# KiCad board geeks-ecu.kicad_pcb (continued)
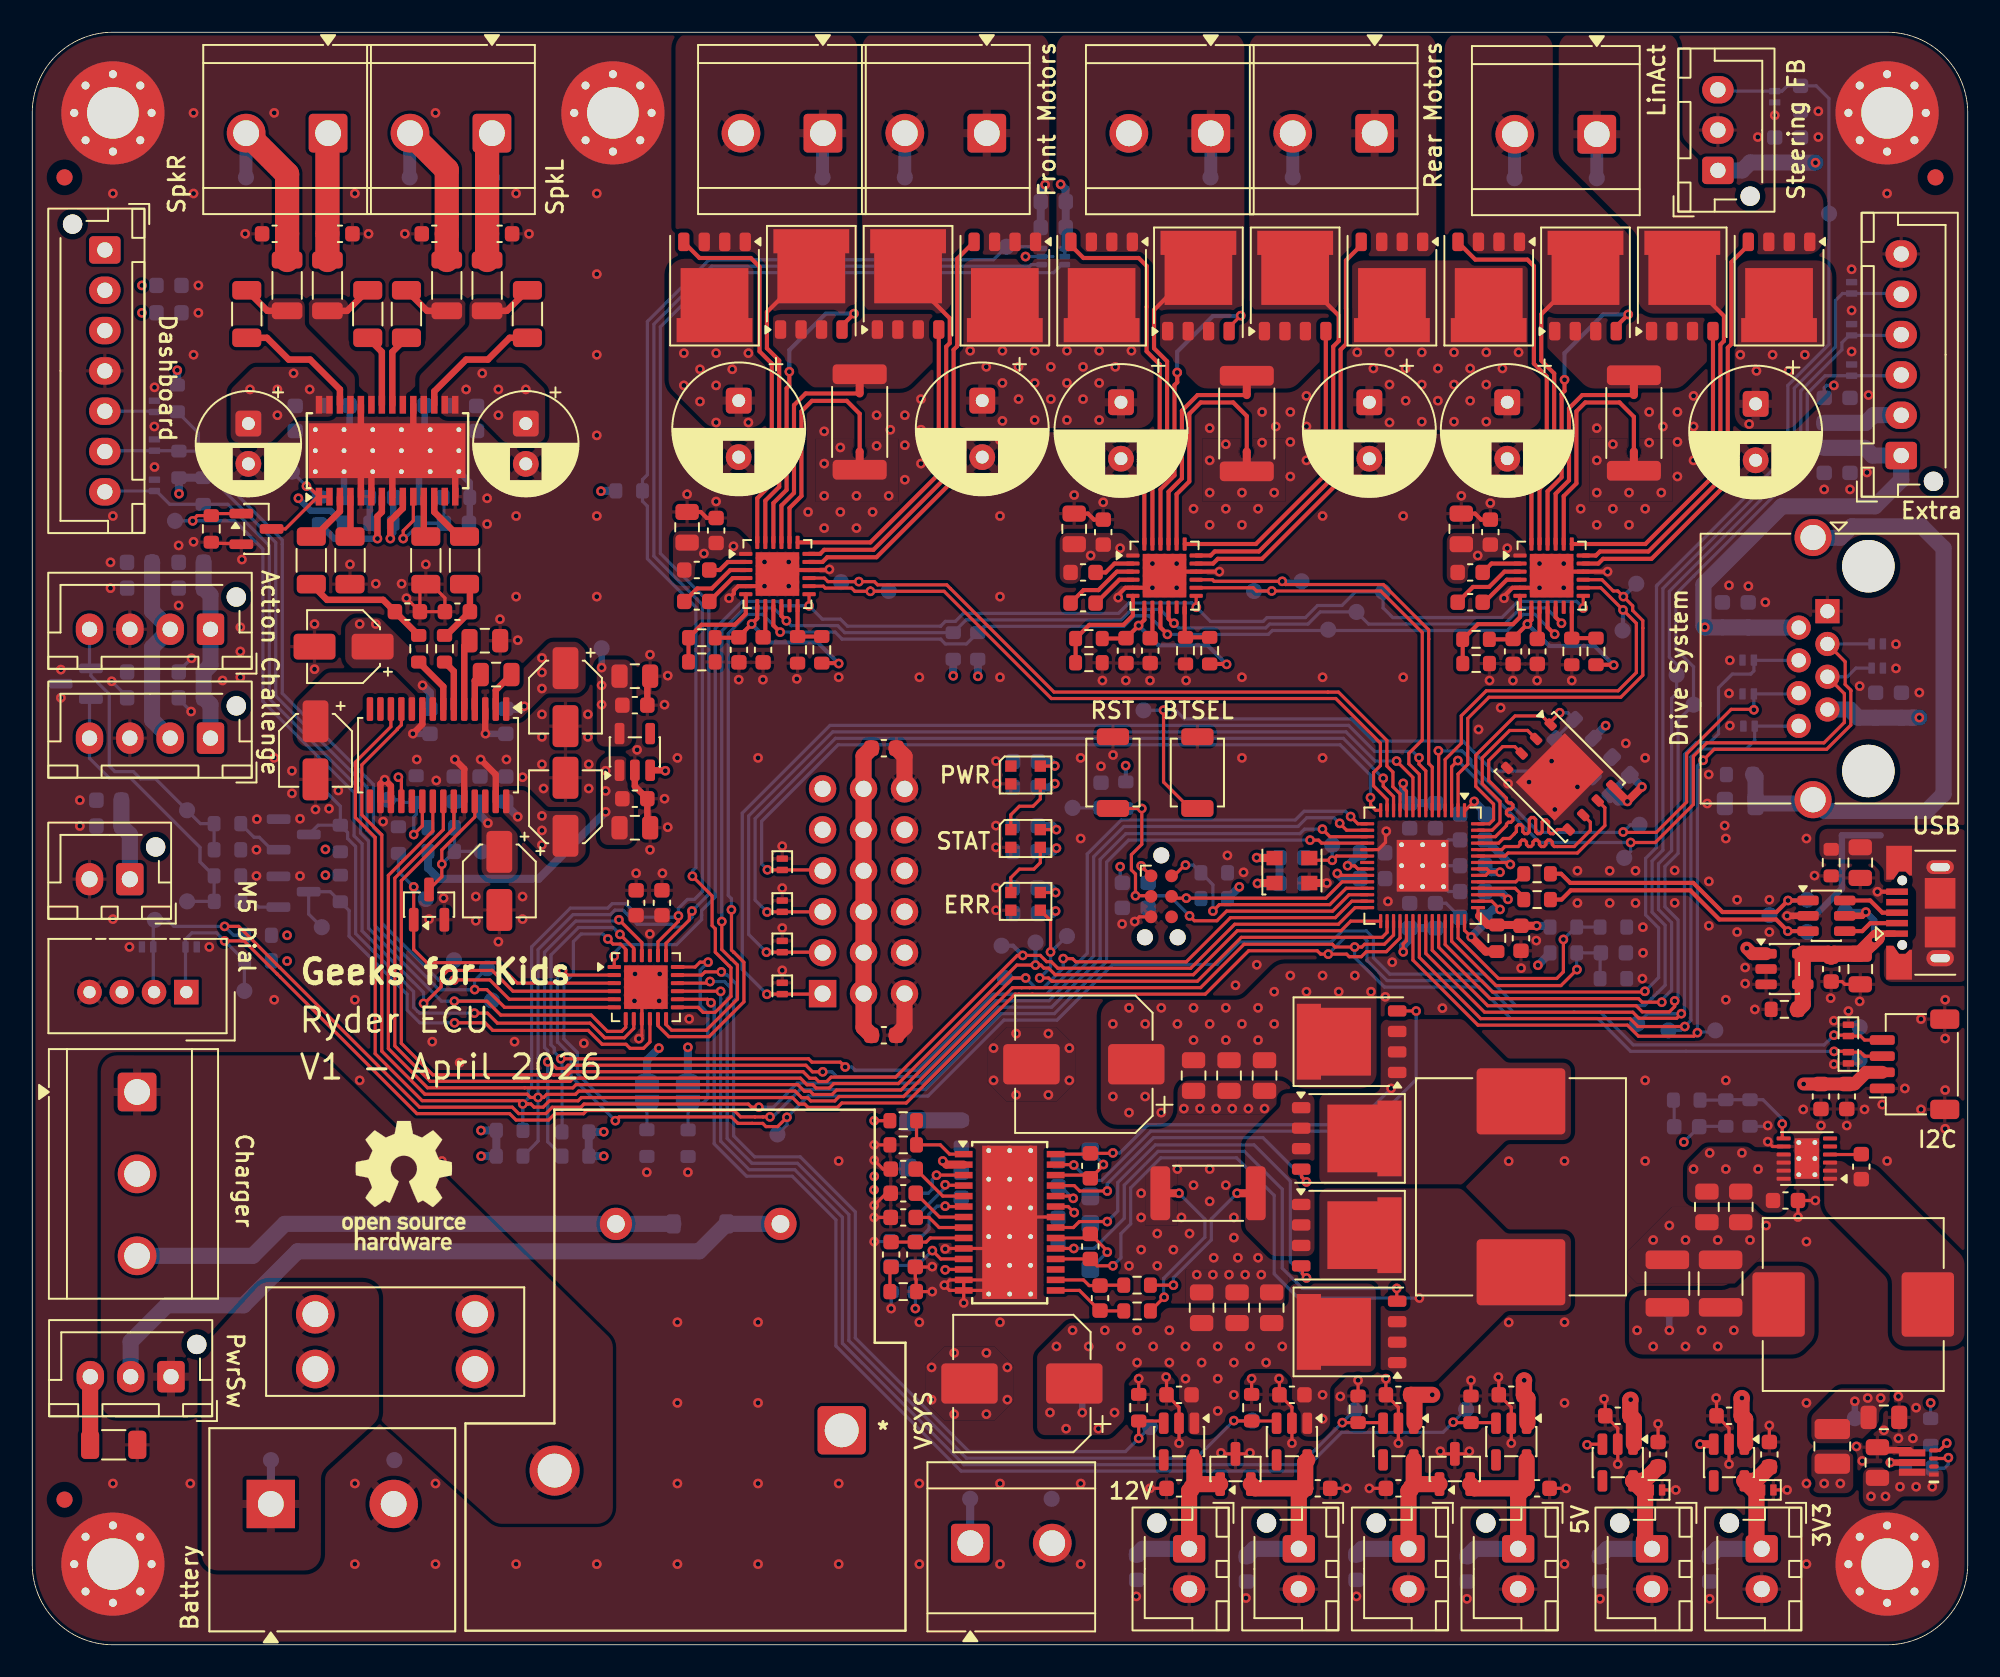
[diagram p0: board, top side]
## Footprints (pads in the part's own frame, mm; a bottom-side part is the same pattern mirrored in y, then rotated) (continued)
MountingHole_3.2mm_M3_Pad_Via
  round 0.8 hole 0.5: 1(-2.4,0) 1(-1.697,1.697) 1(-1.697,-1.697) 1(0,2.4) 1(0,-2.4) 1(1.697,1.697) 1(1.697,-1.697) 1(2.4,0)
  round 6.4 hole 3.2: 1(0,0)
NetTie-2_SMD_Pad0.5mm
  round 0.5 smd: 1(-0.5,0) 2(0.5,0)
NS-Tech_Grove_1x04_P2mm_Vertical
  rect 1.524x1.524 hole 0.762: 1(0,0)
  round 1.524 hole 0.762: 2(0,-2) 3(0,-4) 4(0,-6)
Oscillator_SMD_EuroQuartz_XO32-4Pin_3.2x2.5mm
  rect 0.9x1 smd: 1(-0.775,1.075) 2(-0.775,-1.075) 3(0.775,-1.075) 4(0.775,1.075)
PinHeader_3x06_P2.54mm_Vertical
  rect 1.7x1.7 hole 1: 1(0,0)
  round 1.7 hole 1: 2(2.54,0) 3(5.08,0) 4(0,-2.54) 5(2.54,-2.54) 6(5.08,-2.54) 7(0,-5.08) 8(2.54,-5.08) 9(5.08,-5.08) 10(0,-7.62) 11(2.54,-7.62) 12(5.08,-7.62) 13(0,-10.16) 14(2.54,-10.16) 15(5.08,-10.16) 16(0,-12.7) 17(2.54,-12.7) 18(5.08,-12.7)
PQFN-8-EP_6x5mm_P1.27mm_Generic
  rect 0.6x0.9 smd: (-0.55,1.15) (-0.55,0) (-0.55,-1.15) (0.3,1.15) (0.3,0) (0.3,-1.15) (1.15,1.15) (1.15,0) (1.15,-1.15) (2,1.15) (2,0) (2,-1.15)
  rect 0.9x0.6 smd: (3,1.905) (3,0.635) (3,-0.635) (3,-1.905)
  rrect 1.15x0.7 smd: 1(-2.725,1.905) 2(-2.725,0.635) 3(-2.725,-0.635) 4(-2.725,-1.905)
  custom 4.6x4.7 smd: 5(0,0)
QFN-24-1EP_4x4mm_P0.5mm_EP2.7x2.7mm
  rrect 1.09x1.09 smd: (-0.675,0.675) (-0.675,-0.675) (0.675,0.675) (0.675,-0.675)
  rrect 0.825x0.25 smd: 1(-1.962,1.25) 2(-1.962,0.75) 3(-1.962,0.25) 4(-1.962,-0.25) 5(-1.962,-0.75) 6(-1.962,-1.25) 13(1.962,-1.25) 14(1.962,-0.75) 15(1.962,-0.25) 16(1.962,0.25) 17(1.962,0.75) 18(1.962,1.25)
  rrect 0.25x0.825 smd: 7(-1.25,-1.962) 8(-0.75,-1.962) 9(-0.25,-1.962) 10(0.25,-1.962) 11(0.75,-1.962) 12(1.25,-1.962) 19(1.25,1.962) 20(0.75,1.962) 21(0.25,1.962) 22(-0.25,1.962) 23(-0.75,1.962) 24(-1.25,1.962)
  rect 2.7x2.7 smd: 25(0,0)
QFN-56-1EP_7x7mm_P0.4mm_EP3.2x3.2mm_ThermalVias
  rrect 1.24x1.24 smd: (-0.8,0.8) (-0.8,-0.8) (0.8,0.8) (0.8,-0.8)
  rrect 0.875x0.2 smd: 1(-3.438,2.6) 2(-3.438,2.2) 3(-3.438,1.8) 4(-3.438,1.4) 5(-3.438,1) 6(-3.438,0.6) 7(-3.438,0.2) 8(-3.438,-0.2) 9(-3.438,-0.6) 10(-3.438,-1) 11(-3.438,-1.4) 12(-3.438,-1.8) 13(-3.438,-2.2) 14(-3.438,-2.6) 29(3.438,-2.6) 30(3.438,-2.2) 31(3.438,-1.8) 32(3.438,-1.4) 33(3.438,-1) 34(3.438,-0.6) 35(3.438,-0.2) 36(3.438,0.2) 37(3.438,0.6) 38(3.438,1) 39(3.438,1.4) 40(3.438,1.8) 41(3.438,2.2) 42(3.438,2.6)
  rrect 0.2x0.875 smd: 15(-2.6,-3.438) 16(-2.2,-3.438) 17(-1.8,-3.438) 18(-1.4,-3.438) 19(-1,-3.438) 20(-0.6,-3.438) 21(-0.2,-3.438) 22(0.2,-3.438) 23(0.6,-3.438) 24(1,-3.438) 25(1.4,-3.438) 26(1.8,-3.438) 27(2.2,-3.438) 28(2.6,-3.438) 43(2.6,3.438) 44(2.2,3.438) 45(1.8,3.438) 46(1.4,3.438) 47(1,3.438) 48(0.6,3.438) 49(0.2,3.438) 50(-0.2,3.438) 51(-0.6,3.438) 52(-1,3.438) 53(-1.4,3.438) 54(-1.8,3.438) 55(-2.2,3.438) 56(-2.6,3.438)
  round 0.45 hole 0.3: 57(-1.3,1.3) 57(-1.3,0) 57(-1.3,-1.3) 57(0,1.3) 57(0,0) 57(0,-1.3) 57(1.3,1.3) 57(1.3,0) 57(1.3,-1.3)
  rect 3.2x3.2 smd: 57(0,0)
  rect 3.2x3.2 smd far side: 57(0,0)
R_0603_1608Metric
  rrect 0.8x0.95 smd: 1(-0.825,0) 2(0.825,0)
R_1206_3216Metric
  rrect 1.125x1.75 smd: 1(-1.462,0) 2(1.462,0)
R_2512_6332Metric
  rrect 1.225x3.35 smd: 1(-2.962,0) 2(2.962,0)
RJ45_Amphenol_RJHSE5380
  round 3.25 hole 3.25 unplated: (-2.79,2.54) (9.91,2.54)
  rect 1.5x1.5 hole 0.89: 1(0,0)
  round 1.5 hole 0.89: 2(1.016,-1.78) 3(2.032,0) 4(3.048,-1.78) 5(4.064,0) 6(5.08,-1.78) 7(6.096,0) 8(7.112,-1.78)
  round 2.3 hole 1.57: SH(-4.57,-0.89) SH(11.69,-0.89)
RLT0007A
  rect 0.6x0.25 smd: 1(-0.9,0.75)
  oval 0.6x0.25 smd: 2(-0.9,0.25) 3(-0.9,-0.25) 4(-0.9,-0.75)
  rect 1.64x0.44 smd: 5(0.45,-0.6) 6(0.45,0) 7(0.45,0.6)
SolderJumper-2_P1.3mm_Open_RoundedPad1.0x1.5mm
  custom 1x1.5 smd: 1(-0.65,0) 2(0.65,0)
SOT-23
  rrect 1.475x0.6 smd: 1(-0.938,0.95) 2(-0.938,-0.95) 3(0.938,0)
SOT-23-5
  rrect 1.325x0.6 smd: 1(-1.137,0.95) 2(-1.137,0) 3(-1.137,-0.95) 4(1.137,-0.95) 5(1.137,0.95)
SOT-23-6
  rrect 1.325x0.6 smd: 1(-1.137,0.95) 2(-1.137,0) 3(-1.137,-0.95) 4(1.137,-0.95) 5(1.137,0) 6(1.137,0.95)
SOT-563
  rrect 0.675x0.35 smd: 1(-0.713,0.5) 2(-0.713,0) 3(-0.713,-0.5) 4(0.713,-0.5) 5(0.713,0) 6(0.713,0.5)
SW_SPST_TS-1088-xR020
  rrect 1.05x2 smd: 1(-2.225,0) 2(2.225,0)
Tag-Connect_TC2030-IDC-NL_2x03_P1.27mm_Vertical
  round 0.991 hole 0.991 unplated: (-2.54,0) (2.54,1.016) (2.54,-1.016)
  round 0.787 smd: 1(-1.27,-0.635) 2(-1.27,0.635) 3(0,-0.635) 4(0,0.635) 5(1.27,-0.635) 6(1.27,0.635)
TerminalBlock_CUI_TB005-762-02BE_1x02_P7.62mm_Horizontal
  rect 3x3 hole 1.6: 1(0,0)
  round 3 hole 1.6: 2(7.62,0)
TerminalBlock_CUI_TB007-508-02_1x02_P5.08mm_Horizontal
  rrect 2.4x2.4 hole 1.6: 1(0,0)
  round 2.4 hole 1.6: 2(5.08,0)
TerminalBlock_CUI_TB007-508-03_1x03_P5.08mm_Horizontal
  rrect 2.4x2.4 hole 1.6: 1(0,0)
  round 2.4 hole 1.6: 2(5.08,0) 3(10.16,0)
TestPoint_Pad_D1.0mm
  round 1 smd: 1(0,0)
Texas_RGE0024H_VQFN-24-1EP_4x4mm_P0.5mm_EP2.7x2.7mm
  rrect 1.09x1.09 smd: (-0.675,0.675) (-0.675,-0.675) (0.675,0.675) (0.675,-0.675)
  rrect 0.825x0.25 smd: 1(-1.962,1.25) 2(-1.962,0.75) 3(-1.962,0.25) 4(-1.962,-0.25) 5(-1.962,-0.75) 6(-1.962,-1.25) 13(1.962,-1.25) 14(1.962,-0.75) 15(1.962,-0.25) 16(1.962,0.25) 17(1.962,0.75) 18(1.962,1.25)
  rrect 0.25x0.825 smd: 7(-1.25,-1.962) 8(-0.75,-1.962) 9(-0.25,-1.962) 10(0.25,-1.962) 11(0.75,-1.962) 12(1.25,-1.962) 19(1.25,1.962) 20(0.75,1.962) 21(0.25,1.962) 22(-0.25,1.962) 23(-0.75,1.962) 24(-1.25,1.962)
  rect 2.7x2.7 smd: 25(0,0)
TSSOP-28_4.4x9.7mm_P0.65mm
  rrect 1.475x0.4 smd: 1(-2.862,4.225) 2(-2.862,3.575) 3(-2.862,2.925) 4(-2.862,2.275) 5(-2.862,1.625) 6(-2.862,0.975) 7(-2.862,0.325) 8(-2.862,-0.325) 9(-2.862,-0.975) 10(-2.862,-1.625) 11(-2.862,-2.275) 12(-2.862,-2.925) 13(-2.862,-3.575) 14(-2.862,-4.225) 15(2.862,-4.225) 16(2.862,-3.575) 17(2.862,-2.925) 18(2.862,-2.275) 19(2.862,-1.625) 20(2.862,-0.975) 21(2.862,-0.325) 22(2.862,0.325) 23(2.862,0.975) 24(2.862,1.625) 25(2.862,2.275) 26(2.862,2.925) 27(2.862,3.575) 28(2.862,4.225)
USB_Micro-B_XKB_U254-051T-4BH83-F1S
  round 0.6 hole 0.6 unplated: (-2,1.96) (2,1.96)
  rect 0.4x1.35 smd: 1(-1.3,2.285) 2(-0.65,2.285) 3(0,2.285) 4(0.65,2.285) 5(1.3,2.285)
  custom 2.1x1.6 smd: 6(-3.1,2.16) 6(3.1,2.16)
  oval 1x1.7 hole 0.5x1.2: 6(-2.825,-0.39)
  rect 1.9x1.9 smd: 6(-1.2,-0.39) 6(1.2,-0.39)
  oval 0.85x1.7 hole 0.5x1.2: 6(2.825,-0.39)
WSON-8-1EP_6x5mm_P1.27mm_EP3.4x4.3mm
  rrect 1.37x1.73 smd: (-0.85,1.075) (-0.85,-1.075) (0.85,1.075) (0.85,-1.075)
  rrect 0.75x0.5 smd: 1(-2.7,1.905) 2(-2.7,0.635) 3(-2.7,-0.635) 4(-2.7,-1.905) 5(2.7,-1.905) 6(2.7,-0.635) 7(2.7,0.635) 8(2.7,1.905)
  rect 3.4x4.3 smd: 9(0,0)
WSON-12-1EP_3x3mm_P0.5mm_EP1.5x2.5mm_ThermalVias
  rrect 0.65x1.08 smd: (-0.375,0.625) (-0.375,-0.625) (0.375,0.625) (0.375,-0.625)
  rrect 0.875x0.25 smd: 1(-1.438,1.25) 2(-1.438,0.75) 3(-1.438,0.25) 4(-1.438,-0.25) 5(-1.438,-0.75) 6(-1.438,-1.25) 7(1.438,-1.25) 8(1.438,-0.75) 9(1.438,-0.25) 10(1.438,0.25) 11(1.438,0.75) 12(1.438,1.25)
  round 0.5 hole 0.3: 13(-0.5,1) 13(-0.5,0) 13(-0.5,-1) 13(0.5,1) 13(0.5,0) 13(0.5,-1)
  rect 1.5x2.5 smd: 13(0,0)
  rect 1.5x2.5 smd far side: 13(0,0)

## Nets
+1.1V: C425.2 C427.1 C428.1 U404.23 U404.45 U404.50
+3.3V: C306.1 C310.2 C401.2 C402.2 C403.2 C405.1 C406.1 C407.1 C411.2 C413.1 C414.1 C415.1 C417.1 C419.1 C421.1 C423.1 C430.2 C431.1 C432.2 C433.1 C434.2 C435.1 C513.2 C514.1 C521.2 C523.2 C524.1 C526.1 C902.1 C903.1 C905.1 C906.1 J402.1 J403.2 J507.7 J508.1 J509.2 JP401.1 JP402.1 L301.2 R301.1 R403.1 R404.1 R405.1 R410.2 R413.1 R414.1 R415.1 R416.1 R417.1 R421.1 R423.1 R424.1 R425.1 R426.1 R427.1 R428.1 R501.1 R502.1 TP302.1 U302.4 U304.1 U304.3 U401.8 U404.1 U404.10 U404.22 U404.33 U404.42 U404.44 U404.48 U404.49 U405.21 U406.4 U406.5 U901.1 U901.18 U901.28 Y401.1 Y401.4
+3.3VA: C908.1 C909.1 C910.1 C913.2 TP903.1 U901.8 U902.5
+5V: C303.2 C307.1 C308.1 C309.2 C311.1 C416.2 C418.1 C420.2 C422.1 C424.2 C426.1 C502.2 C504.2 C507.1 C509.1 C511.2 C512.1 C515.2 C518.1 C522.2 C525.1 C904.2 C907.1 D401.4 D402.4 D403.4 J501.2 J502.2 J506.2 J506.5 J506.8 J506.11 J506.14 J506.17 J507.2 J509.1 L302.2 R303.1 R903.1 TP301.1 U302.1 U302.7 U303.1 U303.3 U403.1 U902.1 U902.3
+12V: C214.1 C216.1 C218.1 C219.1 C220.2 C221.2 C222.2 C223.2 C501.2 C503.2 C505.2 C506.1 C508.1 C510.1 C925.1 C926.1 C931.1 C932.1 C933.1 C939.1 J501.1 J502.1 J504.1 Q203.5 R211.1 R909.1 TP201.1 U201.12 U202.1 U203.1 U204.1 U205.1 U903.15 U903.16 U903.27 U903.28
+12VA: C924.2 R908.1 R909.2 U903.7
/12V Buck-Boost Converter/VIN: C211.1 R209.2 U201.2
/12V Buck-Boost Converter/VINSNS: R208.2 U201.3
/DC Motor Controller - Front Wheels/AVDD: C601.2 R601.1 R603.1 U601.7
/DC Motor Controller - Front Wheels/DVDD: C602.2 U601.8
/DC Motor Controller - Rear Wheels/AVDD: C701.2 R701.1 R703.1 U701.7
/DC Motor Controller - Rear Wheels/DVDD: C702.2 U701.8
/DC Motor Controller - Steering/AVDD: C801.2 R801.1 R803.1 U801.7
/DC Motor Controller - Steering/DVDD: C802.2 U801.8
GND: C201.2 C203.2 C204.2 C205.1 C206.1 C207.2 C208.1 C209.2 C211.2 C212.2 C213.1 C214.2 C216.2 C218.2 C219.2 C220.1 C221.1 C222.1 C223.1 C224.1 C225.1 C226.1 C227.1 C228.2 C229.2 C230.2 C231.2 C301.1 C302.1 C303.1 C304.2 C306.2 C308.2 C309.1 C310.1 C311.2 C312.1 C313.1 C314.2 C315.2 C401.1 C402.1 C403.1 C404.2 C405.2 C406.2 C407.2 C408.2 C409.1 C410.2 C411.1 C412.1 C413.2 C414.2 C415.2 C416.1 C417.2 C418.2 C419.2 C420.1 C421.2 C422.2 C423.2 C424.1 C425.1 C426.2 C427.2 C428.2 C429.2 C430.1 C431.2 C432.1 C433.2 C434.1 C435.2 C501.1 C502.1 C503.1 C504.1 C505.1 C506.2 C507.2 C508.2 C509.2 C510.2 C511.1 C512.2 C513.1 C514.2 C515.1 C516.1 C517.2 C518.2 C519.2 C520.2 C521.1 C522.1 C523.1 C524.2 C525.2 C526.2 C601.1 C602.1 C604.1 C605.2 C607.2 C608.2 C701.1 C702.1 C704.1 C705.2 C707.2 C708.2 C801.1 C802.1 C804.1 C805.2 C807.2 C808.2 C901.2 C902.2 C903.2 C904.1 C905.2 C906.2 C907.2 C908.2 C909.2 C910.2 C911.2 C913.1 C914.2 C915.2 C916.1 C917.2 C918.2 C920.2 C922.2 C923.1 C924.1 C925.2 C926.2 C931.2 C932.2 C933.2 C934.2 C935.1 C936.2 C937.1 C938.1 C939.2 D204.3 D205.3 D301.1 D302.1 D401.2 D402.2 D403.2 D404.1 D405.1 D501.1 D502.3 D503.1 D504.1 D505.1 D506.1 D507.1 D508.1 D509.1 D510.1 D511.1 D512.1 D513.1 D514.1 D515.1 D516.1 D517.1 D518.1 D519.1 H101.1 H102.1 H103.1 H104.1 H105.1 J101.2 J102.2 J104.2 J201.2 J202.2 J203.2 J204.2 J301.2 J302.2 J401.5 J402.5 J403.1 J403.MP J501.3 J502.3 J503.4 J504.2 J505.4 J506.3 J506.6 J506.9 J506.12 J506.15 J506.18 J507.1 J508.2 J509.6 NT202.2 NT602.2 NT702.2 NT802.2 Q501.2 Q502.2 Q901.2 Q902.2 R101.2 R202.2 R203.2 R204.2 R205.2 R210.2 R212.2 R213.2 R214.2 R215.2 R216.2 R302.2 R304.2 R402.2 R406.2 R407.2 R412.2 R419.2 R420.2 R422.2 R505.2 R506.2 R507.2 R602.2 R604.2 R605.2 R702.2 R704.2 R705.2 R802.2 R804.2 R805.2 R901.2 R902.1 R904.2 R907.2 R911.2 SW401.1 SW402.1 TP142.1 TP144.1 TP408.1 U201.10 U201.13 U201.14 U201.22 U201.29 U202.2 U203.2 U204.2 U205.2 U301.8 U301.13 U302.5 U303.2 U304.2 U401.4 U401.9 U402.2 U403.2 U403.3 U404.19 U404.57 U405.9 U405.25 U406.2 U601.5 U601.16 U601.25 U701.5 U701.16 U701.25 U801.5 U801.16 U801.25 U901.3 U901.9 U901.16 U901.17 U901.24 U901.27 U902.2 U903.5 U903.6 U903.8 U903.14 U903.19 U903.24 U903.29 Y401.2
VBAT: F101.1 J101.1 TP143.1
VCC: C213.2 D202.2 D203.2 U201.23
/12V Buck-Boost Converter/BIAS: C212.1 U201.24
/12V Buck-Boost Converter/BOOT1: C215.1 D202.1 U201.26
/12V Buck-Boost Converter/BOOT2: C217.1 D203.1 U201.20
/12V Buck-Boost Converter/COMP: C202.1 C203.1 U201.9
/12V Buck-Boost Converter/CS: C210.1 R206.1 U201.16
/12V Buck-Boost Converter/CSG: C210.2 R207.1 U201.15
/12V Buck-Boost Converter/DITH: C207.1 U201.5
/12V Buck-Boost Converter/EN/UVLO: R201.2 R202.1 U201.1
/12V Buck-Boost Converter/FB: R211.2 R212.1 U201.11
/12V Buck-Boost Converter/HDRV1: Q201.4 U201.27
/12V Buck-Boost Converter/HDRV2: Q203.4 U201.19
/12V Buck-Boost Converter/LDRV1: Q202.4 U201.25
/12V Buck-Boost Converter/LDRV2: Q204.4 U201.21
/12V Buck-Boost Converter/MODE: R204.1 U201.4
/12V Buck-Boost Converter/PGOOD: U201.17
/12V Buck-Boost Converter/RCS: NT201.1 R206.2
/12V Buck-Boost Converter/RCSG: NT202.1 R207.2
/12V Buck-Boost Converter/RT/SYNC: R205.1 U201.6
/12V Buck-Boost Converter/SLOPE: C209.1 U201.7
/12V Buck-Boost Converter/SS: C201.1 U201.8
/12V Buck-Boost Converter/SW1: C215.2 L201.1 Q201.1 Q201.2 Q201.3 Q202.5 U201.28
/12V Buck-Boost Converter/SW2: C217.2 L201.2 Q203.1 Q203.2 Q203.3 Q204.5 U201.18
/ACTION_CHALLENGE_TRIG1: Q501.3 R501.2 TP128.1 U405.10
/ACTION_CHALLENGE_TRIG2: Q502.3 R502.2 TP127.1 U405.8
/AMP_SD: Q902.1 R907.1 TP115.1 U405.4
/Audio/AMP_LIN_N: C922.1 U903.11
/Audio/AMP_LIN_P: C921.1 U903.12
/Audio/AMP_RIN_N: C920.1 U903.4
/Audio/AMP_RIN_P: C919.1 U903.3
/Audio/DAC_CAP_M: C912.2 U901.4
/Audio/DAC_CAP_P: C912.1 U901.2
/Audio/DAC_I2S_MCK: R902.2 TP901.1 U901.20
/Audio/DAC_LDO_OUT: C914.1 C917.1 U901.26
/Audio/DAC_OUT_FILT_L: C915.1 C921.2 R905.2
/Audio/DAC_OUT_FILT_R: C916.2 C919.2 R906.2
/Audio/DAC_OUT_L: R905.1 U901.6
/Audio/DAC_OUT_R: R906.1 U901.7
/Audio/DAC_VCOM: C918.1 U901.10
/Audio/DAC_VNEG: C911.1 U901.5
/Audio/GVDD: C923.2 R910.1 U903.9
/Audio/OUTNL: C929.1 FB903.1 U903.20
/Audio/OUTNR: C928.1 FB902.1 U903.23
/Audio/OUTPL: C930.1 FB904.1 U903.18
/Audio/OUTPR: C927.1 FB901.1 U903.25
/Audio/PLIMIT: C938.2 R910.2 R911.1 U903.10
/Audio/~{DAC_XSMT}: C901.1 Q901.3 R903.2 R904.1 TP902.1 U901.25
/Audio/~{SD}: Q902.3 R908.2 TP904.1 U903.1 U903.2
/BATT_IN_PROTECTED: F101.2 J102.1 J103.1 K101.14
/DAC_I2S_BCK: TP105.1 U404.27 U901.21
/DAC_I2S_DIN: TP106.1 U404.29 U901.22
/DAC_I2S_LRCK: TP113.1 U404.28 U901.23
/DAC_MUTE: Q901.1 R901.1 TP108.1 U405.3
/DC Motor Controller - Front Wheels/CPH: C603.1 U601.3
/DC Motor Controller - Front Wheels/CPL: C603.2 U601.4
/DC Motor Controller - Front Wheels/CSA_OUT: U601.11
/DC Motor Controller - Front Wheels/CURRENT_SENSE_N: NT602.1 U601.20
/DC Motor Controller - Front Wheels/CURRENT_SENSE_P: NT601.2 U601.21
/DC Motor Controller - Front Wheels/GH1: Q603.4 U601.17
/DC Motor Controller - Front Wheels/GH2: Q601.4 U601.24
/DC Motor Controller - Front Wheels/GL1: Q604.4 U601.19
/DC Motor Controller - Front Wheels/GL2: Q602.4 U601.22
/DC Motor Controller - Front Wheels/IDRIVE: R603.2 R604.1 U601.12
/DC Motor Controller - Front Wheels/V_SENSE: NT601.1 Q602.1 Q602.2 Q602.3 Q604.1 Q604.2 Q604.3 R605.1
/DC Motor Controller - Front Wheels/VCP: C606.1 U601.2
/DC Motor Controller - Front Wheels/VREF: R601.2 R602.1 U601.6
/DC Motor Controller - Rear Wheels/CPH: C703.1 U701.3
/DC Motor Controller - Rear Wheels/CPL: C703.2 U701.4
/DC Motor Controller - Rear Wheels/CSA_OUT: U701.11
/DC Motor Controller - Rear Wheels/CURRENT_SENSE_N: NT702.1 U701.20
/DC Motor Controller - Rear Wheels/CURRENT_SENSE_P: NT701.2 U701.21
/DC Motor Controller - Rear Wheels/GH1: Q703.4 U701.17
/DC Motor Controller - Rear Wheels/GH2: Q701.4 U701.24
/DC Motor Controller - Rear Wheels/GL1: Q704.4 U701.19
/DC Motor Controller - Rear Wheels/GL2: Q702.4 U701.22
/DC Motor Controller - Rear Wheels/IDRIVE: R703.2 R704.1 U701.12
/DC Motor Controller - Rear Wheels/V_SENSE: NT701.1 Q702.1 Q702.2 Q702.3 Q704.1 Q704.2 Q704.3 R705.1
/DC Motor Controller - Rear Wheels/VCP: C706.1 U701.2
/DC Motor Controller - Rear Wheels/VREF: R701.2 R702.1 U701.6
/DC Motor Controller - Steering/CPH: C803.1 U801.3
/DC Motor Controller - Steering/CPL: C803.2 U801.4
/DC Motor Controller - Steering/CSA_OUT: U801.11
/DC Motor Controller - Steering/CURRENT_SENSE_N: NT802.1 U801.20
/DC Motor Controller - Steering/CURRENT_SENSE_P: NT801.2 U801.21
/DC Motor Controller - Steering/GH1: Q803.4 U801.17
/DC Motor Controller - Steering/GH2: Q801.4 U801.24
/DC Motor Controller - Steering/GL1: Q804.4 U801.19
/DC Motor Controller - Steering/GL2: Q802.4 U801.22
/DC Motor Controller - Steering/IDRIVE: R803.2 R804.1 U801.12
/DC Motor Controller - Steering/V_SENSE: NT801.1 Q802.1 Q802.2 Q802.3 Q804.1 Q804.2 Q804.3 R805.1
/DC Motor Controller - Steering/VCP: C806.1 U801.2
/DC Motor Controller - Steering/VREF: R801.2 R802.1 U801.6
/DRIVE_ACTIVE_SW: D504.2 J507.8 TP140.1 U404.35
/DRIVE_PWM_STEERING: D510.2 J507.5 TP138.1 U404.3
/DRIVE_PWM_THROTTLE: D507.2 J507.6 TP139.1 U404.5
/DRIVE_SOUND_A: D515.2 J507.3 TP137.1 U404.34
/DRIVE_SOUND_B: D513.2 J507.4 TP136.1 U404.36
/FRONT_MOTOR_DIR: TP109.1 U404.11 U601.15
/FRONT_MOTOR_OUT_A: J107.1 J107.2 Q603.1 Q603.2 Q603.3 Q604.5 TP149.1 U601.18
/FRONT_MOTOR_OUT_B: J108.1 J108.2 Q601.1 Q601.2 Q601.3 Q602.5 TP150.1 U601.23
/FRONT_MOTOR_PWM: TP117.1 U404.13 U601.14
/GPIO_EXPANDER_SPARE: D518.2 J509.5 TP121.1 U405.2
/H/L: D512.2 J505.7 R425.2 TP124.1 U405.7
/I2C_SCL: D404.2 J403.4 R413.2 TP107.1 U404.32 U405.20 U406.1 U901.12
/I2C_SDA: D405.2 J403.3 R414.2 TP114.1 U404.31 U405.19 U406.6 U901.11
/IO Connectors/TRIG_IN1: D502.2 J501.4 R503.2 R505.1 TP501.1
/IO Connectors/TRIG_IN2: D502.1 J502.4 R504.2 R506.1 TP502.1
/Low Voltage Power Converters/BST_5V0: C305.1 U301.4
/Low Voltage Power Converters/FB_3V3: R301.2 R302.1 U302.3
/Low Voltage Power Converters/FB_5V0: R303.2 R304.1 R305.1 U301.7
/Low Voltage Power Converters/SW_3V3: L301.1 U302.6
/Low Voltage Power Converters/SW_5V0: C305.2 L302.1 U301.1 U301.2 U301.3
/LS_A_CTRL: R213.1 TP101.1 U202.3 U405.14
/LS_B_CTRL: R214.1 TP103.1 U203.3 U405.15
/LS_C_CTRL: R215.1 TP102.1 U204.3 U405.16
/LS_D_CTRL: R216.1 TP104.1 U205.3 U405.17
/M5_SCL: D503.2 J503.1 R416.2 TP130.1 U404.18
/M5_SDA: D501.2 J503.2 R415.2 TP129.1 U404.17
/MCU/12MHz_OUT: TP401.1 U404.20 Y401.3
/MCU/ADC_AVDD: C412.2 R410.1 R411.1 U404.43
/MCU/BATT_MON: C429.1 R418.2 R419.1 U404.40
/MCU/BOOTSEL: R401.2 SW401.2 TP404.1
/MCU/LED_DIN: D401.3 TP402.1 U404.30
/MCU/LED_DIN1: D401.1 D402.3
/MCU/LED_DIN2: D402.1 D403.3
/MCU/QSPI_SCLK: U401.6 U404.52
/MCU/QSPI_SD0: U401.5 U404.53
/MCU/QSPI_SD1: U401.2 U404.55
/MCU/QSPI_SD2: U401.3 U404.54
/MCU/QSPI_SD3: U401.7 U404.51
/MCU/REVISION: R411.2 R412.1 U404.41
/MCU/SWCLK: J402.4 R405.2 U404.24
/MCU/SWDIO: J402.2 R407.1 U404.25
/MCU/USB_CONN_D+: J401.3 U402.6
/MCU/USB_CONN_D-: J401.2 U402.4
/MCU/USB_CONN_SHIELD: C404.1 J401.6 R402.1
/MCU/USB_CONN_VBUS: C409.2 C410.1 J401.1 R406.1 TP407.1 U402.5 U403.4 U403.5
/MCU/USB_D+: R408.2 TP405.1 U402.1
/MCU/USB_D-: R409.2 TP406.1 U402.3
/MCU/USB_RP2040_D+: R408.1 U404.47
/MCU/USB_RP2040_D-: R409.1 U404.46
/MCU/~{GPIO_EXPANDER_INT}: R417.2 U404.16 U405.22
/MCU/~{GPIO_EXPANDER_RST}: R421.2 U404.15 U405.23
/MCU/~{QSPI_SS}: R401.1 R403.2 U401.1 U404.56
/MCU/~{RESET}: C408.1 J402.3 R404.2 SW402.2 TP403.1 U404.26
/MCU/~{TEMP_ALRT}: R428.2 TP409.1 U405.13 U406.3
/REAR_MOTOR_DIR: TP111.1 U404.6 U701.15
/REAR_MOTOR_OUT_A: J109.1 J109.2 Q703.1 Q703.2 Q703.3 Q704.5 TP151.1 U701.18
/REAR_MOTOR_OUT_B: J110.1 J110.2 Q701.1 Q701.2 Q701.3 Q702.5 TP152.1 U701.23
/REAR_MOTOR_PWM: TP119.1 U404.8 U701.14
/RELAY_GND: D101.2 J102.3 K101.A2
/REMOTE_PWM_CLOSE_OUT: D511.2 J506.7 U404.12
/REMOTE_PWM_EXTRA: D514.2 J506.10 U404.14
/REMOTE_PWM_STEERING: D508.2 J506.4 U404.9
/REMOTE_PWM_THROTTLE: D505.2 J506.1 U404.7
/RP2040_SPARE1: D516.2 J509.3 TP123.1 U404.37
/RP2040_SPARE2: D517.2 J509.4 TP122.1 U404.38
/SPKNL: C936.1 FB903.2 J105.2 TP146.1
/SPKNR: C935.2 FB902.2 J106.1 TP147.1
/SPKPL: C937.2 FB904.2 J105.1 TP145.1
/SPKPR: C934.1 FB901.2 J106.2 TP148.1
/STEERING_FEEDBACK: C520.1 D519.2 J508.3 TP135.1 U404.39
/STEERING_MOTOR_DIR: TP112.1 U404.2 U801.15
/STEERING_MOTOR_OUT_A: J111.1 Q803.1 Q803.2 Q803.3 Q804.5 TP153.1 U801.18
/STEERING_MOTOR_OUT_B: J111.2 Q801.1 Q801.2 Q801.3 Q802.5 TP154.1 U801.23
/STEERING_MOTOR_PWM: TP120.1 U404.4 U801.14
/SW: D101.1 J103.2 K101.A1
/SW_FORWARD: D509.2 J505.6 R424.2 TP125.1 U405.6
/SW_REVERSE: D506.2 J505.5 R423.2 TP126.1 U405.5
/~{MOTOR_CHOPPING}: R427.2 TP110.1 U405.12 U601.10 U701.10 U801.10
/~{MOTOR_FAULT}: R426.2 TP118.1 U405.11 U601.9 U701.9 U801.9
/~{MOTOR_SLEEP}: TP116.1 U405.1 U601.13 U701.13 U801.13
VSYS: C204.1 C205.2 C206.2 C208.2 C301.2 C302.2 C304.1 C516.2 C519.1 C604.2 C605.1 C606.2 C607.1 C608.1 C704.2 C705.1 C706.2 C707.1 C708.1 C804.2 C805.1 C806.2 C807.1 C808.1 D201.2 J104.1 J505.2 K101.13 Q201.5 Q601.5 Q603.5 Q701.5 Q703.5 Q801.5 Q803.5 R201.1 R208.1 R418.1 TP141.1 U301.9 U301.10 U301.11 U301.12 U601.1 U701.1 U801.1
Net-(C202-Pad2): C202.2 R203.1
Net-(C307-Pad2): C307.2 R305.2
Net-(C517-Pad1): C517.1 J507.SH R507.1
Net-(D201-K): D201.1 R209.1
Net-(D204-A1): C225.2 C229.1 D204.1 J202.1 U203.5
Net-(D204-A2): C224.2 C228.1 D204.2 J201.1 U202.5
Net-(D205-A1): C227.2 C231.1 D205.1 J204.1 U205.5
Net-(D205-A2): C226.2 C230.1 D205.2 J203.1 U204.5
Net-(D301-A2): C312.2 C314.1 D301.2 J301.1 U303.5
Net-(D302-A2): C313.2 C315.1 D302.2 J302.1 U304.5
Net-(J103-Pin_3): J103.3 R101.1
Net-(JP401-B): JP401.2 R420.1 U405.18
Net-(JP402-B): JP402.2 R422.1 U405.24
Net-(NT201-Pad2): NT201.2 Q202.1 Q202.2 Q202.3 Q204.1 Q204.2 Q204.3 R210.1
Net-(Q501-G): Q501.1 R503.1
Net-(Q502-G): Q502.1 R504.1
Net-(U903-BSNL): C928.2 U903.22
Net-(U903-BSNR): C929.2 U903.21
Net-(U903-BSPL): C927.2 U903.26
Net-(U903-BSPR): C930.2 U903.17

Pads without a net: D403 1; J401 4; J402 6; J503 3; J505 1 3; J506 13 16; U202 4; U203 4; U204 4; U205 4; U301 5 6; U302 2; U303 4; U304 4; U404 21; U901 13 14 15 19; U902 4; U903 13

## Via types
v1: diameter 0.6, hole 0.3, Top to Bottom, 879 vias

## Routing (per net, layer and track width the routed paths; a pad name or vN(x,y) marks a point on that pad's centre or on a via; arc(x,y) is an arc through that point)
+1.1V: length 11.3
  Top w0.2: v1(80.91,47.83) 80.93,47.83 81.05,47.71 U404.23 ; U404.50 91.52,48.51 v1(91.64,48.39) ; U404.45 91.2,46.51 91.48,46.23 v1(91.5,46.23)
  Bottom w0.5: v1(91.64,48.39) 90.12,49.91 C425.2 ; C428.1 81.23,47.51 v1(80.91,47.83) ; C427.1 91.01,46.71 v1(91.5,46.23)
+3.3V: length 100.7
  Top w0.2: U404.22 82.19,48.11 82,48.3 81.56,48.3 v1(81.55,48.31) ; v1(89.21,43.89) 88.8,44.3 U404.42 ; 90.97,47.94 90.34,47.94 90.11,47.71 U404.48 ; 90.97,47.94 v1(91,47.91) ; 90.97,47.94 90.36,47.94 90.19,48.11 U404.49 ; U404.1 88.85,51.75 v1(89.4,52.3) ; v1(85,53.42) 85.05,53.37 85.05,53.09 85.2,52.94 U404.10 ; 38.29,44.07 v1(38.29,44.08) ; U901.18 22.88,53.61 v1(22.7,53.8) ; U404.44 90.49,46.11 v1(91,45.6) ; v1(68.75,48.3) J402.1 ; U404.33 85.2,43.66 85,43.46 v1(85,42.97) ; v1(118.7,12.5) 118.25,12.05 U302.4
  Top w0.5: Y401.4 75.94,48.79 v1(75.91,48.81) ; R410.2 90.12,42.99 v1(89.21,43.89) ; v1(99.8,53.2) v1(98.9,52.3) 97.96,53.24 U401.8 ; Y401.1 75.99,47.24 v1(75.96,47.21) ; v1(103.4,12.44) U304.3
  Top w0.8: J403.2 113.7,35.5 112.98,34.78 C433.1 C432.2 v1(109.82,34.78)
  Top w1: v1(106,15.3) 105.98,15.28 105.98,14.2 106.2,13.97 106.2,12.44
  Bottom w0.2: R301.1 v1(117.7,15) ; U406.5 U406.4 ; C407.1 69.18,47.86 v1(68.75,48.3) ; v1(67.45,48.25) 67.45,47.38 C403.2
  Bottom w0.258: R404.1 67.8,54.51 v1(67.79,54.52)
  Bottom w0.4: TP302.1 v1(113,15.1)
  Bottom w0.5: v1(99.8,53.2) C405.1 C401.2 98.3,52.3 v1(98.9,52.3) ; v1(91,47.91) 90.48,47.91 C423.1 ; R427.1 v1(57.1,60.09) ; v1(74.84,47) R405.1 74.11,46.31 ; v1(91,45.6) 90.56,45.6 C411.2 90.07,44.75 v1(89.21,43.89) ; R423.1 v1(8.99,79.04) ; v1(58.63,60.06) 58.63,61.11 R426.1 ; v1(75.91,48.81) C402.2 C406.1 v1(75.96,47.21) ; 35.43,31.8 R421.1 R417.1 v1(35.44,30.3) ; v1(81.55,48.31) 82.32,49.09 C415.1 ; C906.1 30.34,58.04 v1(30.5,58.2) ; R425.1 R424.1 9.09,71.39 v1(9.1,71.38) ; v1(30.1,51.35) 29.36,52.09 C905.1 ; C421.1 C414.1 85,52.59 85,53.32 ; JP401.1 40.64,34.91 40.64,37.04 v1(40.65,37.05) ; v1(97.55,57) 96.78,56.23 R403.1 ; U406.4 64.07,86.65 C435.1 C434.2 64.06,89.5 64.06,90.27 v1(63.76,90.57) ; v1(27.82,31.89) 27.83,31.9 R413.1 R414.1 v1(27.83,30.3) ; C413.1 90.07,51.62 v1(89.4,52.3) ; R428.1 35.28,71.56 ; v1(85,42.97) 85,43.35 85.4,43.75 C417.1 C419.1 ; JP402.1 38.12,36.27 v1(38.85,37)
  Bottom w1: J507.7 112.7,58 113.21,57.49 C514.1 C513.2 116.59,57.49 116.6,57.5 v1(117,57.5) ; v1(110.56,91.91) 109.65,91.91 C524.1 C521.2 106.51,91.92 106.02,91.43 J508.1 ; J509.2 114.15,76.25 113.68,75.78 111.1,75.78
  vias: v1(15.8,44) v1(15.8,42.4) v1(18.18,49.32) v1(18.18,47.72) v1(31.6,61.2) v1(31.6,60.3) v1(31.6,59.3) v1(31.6,51.4) v1(31.6,50.5) v1(31.6,49.6) v1(35.26,71.54) v1(35.44,31.81) v1(113.8,15.3) v1(114.6,15.3)
+3.3VA: length 2.8
  Bottom w0.4: TP903.1 v1(35.3,60.6)
  Bottom w0.5: C908.1 24.66,59.04 v1(24.2,59.5)
  vias: v1(20.3,63.3) v1(21.3,63.3) v1(35.3,59.5) v1(35.3,58.3)
+5V: length 94.9
  Top w0.2: D403.4 63.39,54.49 v1(63.4,54.5) ; v1(63.5,50.55) D402.4 ; D401.4 v1(63.45,46.65) ; U303.3 96.44,12.44 v1(96.4,12.4)
  Top w0.4: v1(39.25,54.2) 39.22,54.23 U902.3
  Top w0.8: v1(106.3,43.2) 106.64,42.85 U403.1
  Top w1: C518.1 51.54,55.11 J506.17 J506.14 J506.11 J506.8 J506.5 J506.2 51.54,38.28 C515.2 ; v1(99.1,15.2) 99.07,15.18 C309.2 99.3,13.97 99.3,12.44
  Bottom w0.2: v1(102.4,31.17) C307.1 103.38,32.15 R303.1
  Bottom w0.4: v1(101.5,19.5) TP301.1
  Bottom w0.5: C422.1 63.26,50.79 v1(63.5,50.55) ; v1(63.4,54.5) 63.12,54.78 C426.1 ; C420.2 63.29,49.19 v1(63.5,49.4) ; C424.2 63.12,53.17 63.35,53.4 v1(63.4,53.4) ; C418.1 63.16,46.94 v1(63.45,46.65) ; R903.1 24.53,48.16 25.2,47.5 31.4,47.5 v1(35.55,51.65) ; C416.2 63.29,45.34 v1(63.45,45.5)
  Bottom w1: J501.2 7.43,57.34 C502.2 C507.1 7.43,61.86 J502.2 7.43,64.09 C504.2 7.43,67.12 C509.1 ; J507.2 106.4,63.08 C512.1 C511.2 103.71,63.09 v1(103.7,63.1) 103.61,63.19 103.61,65.75 108.47,70.6 114.25,70.6 115.88,72.22 J509.1 114.1,73.75 113.62,74.22 111.1,74.22